# KiCad board TKEEB.kicad_pcb (continued)
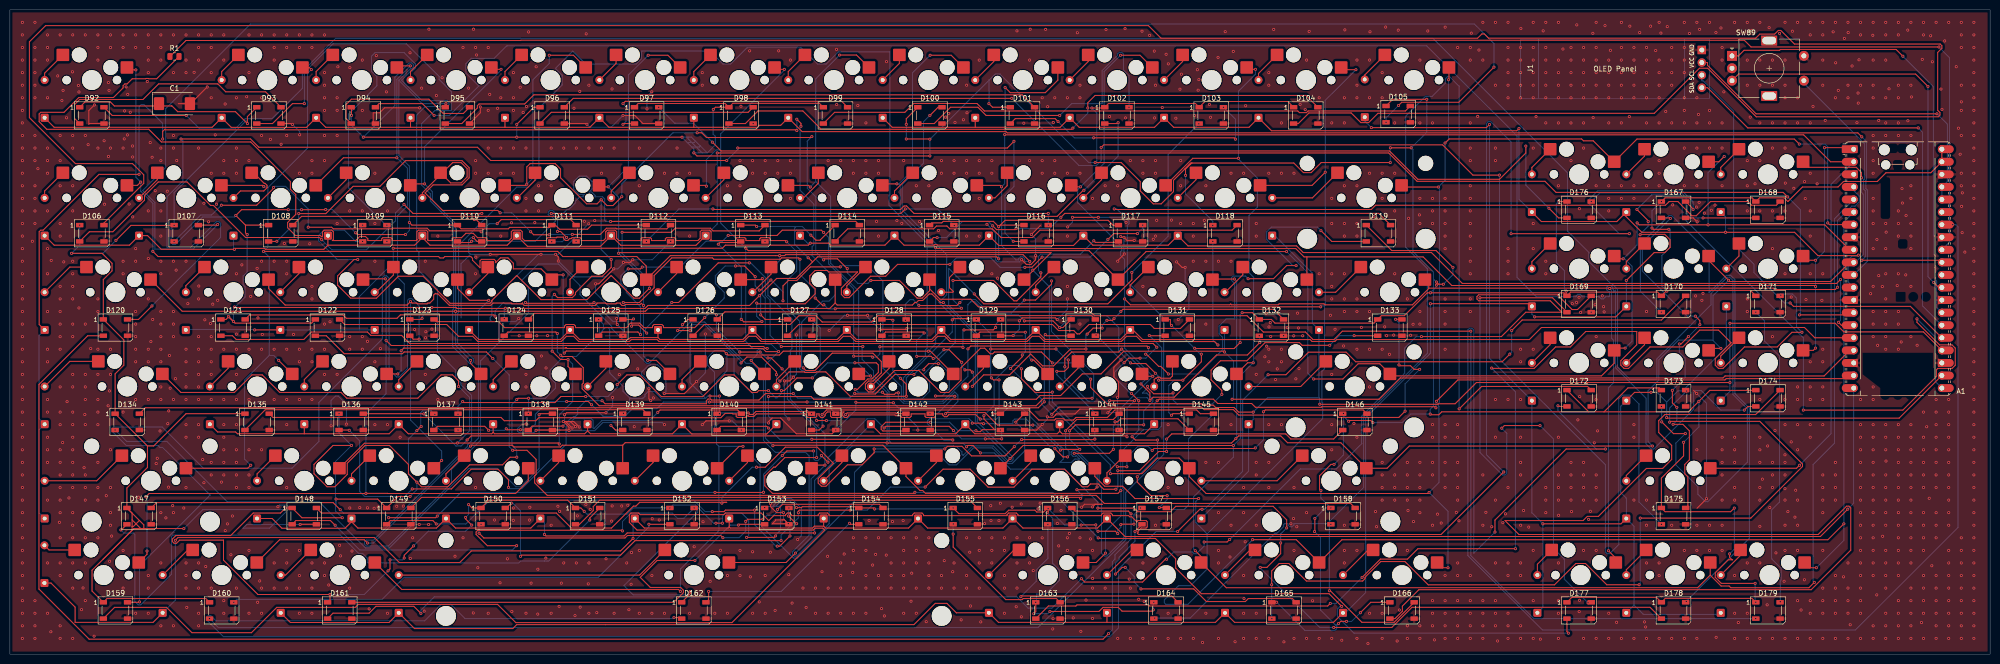
[diagram p0: board, top side]
## Routing (per net, layer and track width the routed paths; a pad name or vN(x,y) marks a point on that pad's centre or on a via; arc(x,y) is an arc through that point) (continued)
A: length 91.5
  Top w0.2: SW89.A 348.72,120.86 349.85,121.99 357.02,121.99 357.18,122.16 380.52,122.16 v1(381.89,120.79) ; A1.27 A1.27
  Bottom w0.2: v1(381.89,120.79) 388.03,114.65 388.03,84.63 388.17,84.49 388.17,84.49 388.17,80.7 388.36,80.5 388.36,79.54 388.37,79.53 388.37,78.07 388.51,77.93 388.51,75.54 388.71,75.34 388.71,74.84 388.65,74.77 388.65,70.09 A1.27
B: length 84.1
  Top w0.2: SW89.B 348.74,117.19 384.45,117.19 v1(386.95,114.69) ; v1(388.11,75.09) 389.13,74.07 A1.29 A1.29
  Bottom w0.2: v1(386.95,114.69) 386.95,76.25 v1(388.11,75.09)
col 1: length 410.8
  Top w0.2: 99.87,106.43 80.82,106.43 ; 99.87,106.43 D5.1 ; 99.87,106.43 116.99,106.43 D6.1 120.85,106.43 137.97,106.43 137.97,106.43 ; 80.82,106.43 D4.1 ; 80.82,106.43 63.7,106.43 D3.1 59.83,106.42 44.66,106.42 D2.1 40.79,106.43 8.93,106.43 D1.1 ; 137.97,106.43 D7.1 ; 137.97,106.43 137.97,106.43 150.82,106.43 151.22,106.83 155.5,106.83 D8.1 159.81,105.56 200.94,105.56 201.2,105.31 372.8,105.31 v1(373.59,104.51) ; A1.11 A1.11
  Bottom w0.2: v1(373.59,104.51) 374.53,103.57 374.53,95.81 374.41,95.69 374.41,94.07 374.71,93.77 374.71,79.35 A1.11
col 2: length 239.5
  Top w0.2: v1(304.44,106.2) 303.98,105.73 254.52,105.73 D13.1 249.97,106.43 234.77,106.43 D12.1 230.92,106.43 215.72,106.43 D11.1 211.87,106.43 194.74,106.43 ; D15.1 325.61,88.82 ; 325.61,88.82 324.16,87.38 308.96,87.38 D14.1 ; 325.61,88.82 329.21,85.22 v1(346.1,85.22) 360.03,85.22 364.75,80.51 372.81,80.51 v1(372.9,80.6) ; 194.74,106.43 178,106.43 D9.1 ; 194.74,106.43 D10.1 ; A1.12 A1.12
  Bottom w0.2: D14.1 304.44,91.9 v1(304.44,106.2) ; v1(346.1,85.22) 346.1,88.35 D16.1 ; A1.12 370.85,75.18 370.85,79.63 371.64,80.42 372.72,80.42 v1(372.9,80.6)
col 3: length 420.6
  Top w0.2: D17.1 8.93,82.62 24.13,82.62 D18.1 27.77,84.54 30.53,81.78 v1(45.28,81.78) 45.47,81.97 51.39,81.97 51.57,81.78 63.32,81.78 64.15,82.62 ; 83.2,84.16 84.75,82.62 100.33,82.62 D22.1 104.4,82.39 119.15,82.39 D23.1 123.26,82.59 138.4,82.59 D24.1 ; 83.2,84.16 D21.1 ; 83.2,84.16 81.66,82.62 64.15,82.62 ; 64.15,82.62 D20.1 ; v1(361.04,68.53) 370.71,68.53 A1.14 A1.14 ; v1(142.69,101.25) 278.16,101.25 283.88,95.53 309.68,95.53 311.92,93.28 357.72,93.28 v1(358.65,92.36)
  Bottom w0.2: v1(45.28,81.78) 45.1,81.97 D19.1 ; v1(142.69,101.25) 142.69,86.89 D24.1 ; v1(361.04,68.53) 361.21,68.7 361.21,89.8 v1(358.65,92.36)
col 4: length 374.9
  Top w0.2: v1(369.3,75.67) 368.51,74.88 293.01,74.88 286.77,81.13 260.91,81.13 259.57,82.47 237.67,82.47 D29.1 233.68,82.62 218.48,82.62 D28.1 214.57,82.56 199.48,82.56 D27.1 195.58,82.62 187.1,82.62 187,82.71 186.51,82.71 186.41,82.62 180.38,82.62 D26.1 176.53,82.62 165.6,82.62 165.2,83.02 v1(161.46,83.02) 161.06,82.62 144.34,82.62 143.71,81.99 v1(77.33,81.99) ; D31.1 54.54,65.5 v1(49.38,65.5) ; v1(368.89,67.03) 369.48,66.45 A1.15 A1.15
  Bottom w0.2: 70.48,65.49 D31.1 ; 70.48,65.49 70.48,72.22 77.33,79.07 v1(77.33,81.99) ; 70.48,65.49 D32.1 ; D30.1 35.59,65.6 49.28,65.6 v1(49.38,65.5) ; v1(161.46,83.02) 160.93,83.02 D25.1 ; v1(369.3,75.67) 369.3,75.67 369.3,67.43 v1(368.89,67.03)
col 5: length 293.8
  Top w0.2: A1.16 A1.16 364.11,63.91 362.04,65.98 308.97,65.98 306.53,63.54 267.68,63.54 267.3,63.16 262.69,63.16 262.31,63.55 228.51,63.55 226.56,65.49 D40.1 225.99,65.49 224.06,63.57 208.87,63.57 D39.1 205.01,63.57 189.82,63.57 D38.1 185.96,63.57 170.77,63.57 D37.1 166.91,63.56 151.72,63.56 D36.1 147.86,63.57 131.11,63.57 130.74,63.94 ; 130.74,63.94 125.19,63.94 124.81,63.57 114.92,63.57 D34.1 111.06,63.57 94.57,63.57 D33.1 ; 130.74,63.94 D35.1
col 6: length 371.7
  Top w0.2: 116.54,45.11 D46.1 ; 116.54,45.11 117.13,44.52 133.66,44.52 D47.1 137.55,44.48 152.68,44.48 D48.1 ; 116.54,45.11 115.95,44.52 97.77,44.52 97.49,44.8 ; 97.49,44.8 D45.1 ; 97.49,44.8 97.2,44.52 80.36,44.52 D44.1 76.51,44.52 59.39,44.52 ; v1(153.02,52.03) 161.63,52.03 162.18,51.49 207.07,51.49 207.82,52.24 211.97,52.24 216.35,56.61 220.12,56.61 224.71,61.2 244.87,61.2 v1(245.04,61.03) ; 59.39,44.52 45.89,44.52 45.53,44.88 41.9,44.88 D42.1 ; 59.39,44.52 D43.1 ; A1.17 A1.17 365.99,56.19 346.02,56.19 345.62,55.79 280.5,55.79 276.2,51.49 v1(246.56,51.49)
  Bottom w0.2: v1(246.56,51.49) 246.86,51.79 246.86,59.21 245.04,61.03 ; v1(153.02,52.03) 153.02,48.06 D48.1 ; D41.1 245.04,61.03 ; 245.04,61.03 v1(245.04,61.03)
col 9: length 499.2
  Top w0.2: v1(286.56,70.79) 306.5,70.79 D71.1 ; D65.1 56.58,6.39 76.48,6.39 D66.1 81.63,5.16 101.44,5.16 102.24,5.95 120.17,5.95 120.17,5.95 182.38,5.95 186.68,10.25 189.02,10.25 190.94,8.34 D67.1 199.43,6.42 221.31,6.42 ; A1.21 A1.21 ; v1(330.5,87.4) 330.5,87.55 v1(328.23,89.83) ; v1(361.81,49.3) 381.88,49.3 388.64,56.06 388.64,57.42 388.94,57.72 391.81,57.72 392.45,58.37 392.45,61.82 391.8,62.47 389.29,62.47 384.73,67.03 v1(384.73,67.74) ; v1(326.09,75.49) 331.7,81.11 333.84,81.11 334.92,82.19 334.92,83.72 333.84,84.81 328.95,84.81 v1(328.87,84.73) ; D70.1 267.01,6.42 247.05,6.42 D69.1 243.2,6.42 221.31,6.42 ; 221.31,6.42 D68.1 ; D72.1 323.96,68.13 v1(307.6,68.13)
  Bottom w0.2: v1(326.09,75.49) D72.1 ; v1(330.5,87.4) 330.5,86.45 328.87,84.82 v1(328.87,84.73) ; A1.21 388.42,55.07 388.42,64.05 v1(384.73,67.74) ; v1(307.6,68.13) 307.04,68.69 D71.1 ; v1(286.56,70.79) 286.56,60.78 273.52,47.74 273.52,12.47 269.39,8.34 D70.1 ; v1(328.23,89.83) 331.2,92.79 337.02,92.79 337.37,92.44 337.37,88.33 361.81,63.89 v1(361.81,49.3)
col 10: length 308.6
  Top w0.2: A1.22 A1.22 381.13,47.67 334.34,47.67 v1(334.23,47.79) ; D80.1 327.76,52.88 v1(331.08,52.88) ; v1(309.26,26.32) 325.02,26.32 D74.1 ; v1(274.65,106.37) 297.87,106.37 v1(298.48,106.98)
  Bottom w0.2: 334.23,50.92 v1(334.23,47.79) ; 334.23,50.92 336.48,53.17 337.43,53.17 346.26,62.01 D73.1 ; 334.23,50.92 332.27,52.88 v1(331.08,52.88) ; 327.65,9.91 329.52,8.03 344.83,8.03 D77.1 ; 327.65,9.91 D76.1 ; 327.65,9.91 327.65,25.83 D74.1 326.09,31.49 324.97,32.61 324.97,50.09 D80.1 ; v1(274.65,106.37) 273.32,107.69 D78.1 ; D75.1 309.26,9.45 v1(309.26,26.32) 307.04,28.55 D79.1 298.48,59.76 v1(298.48,106.98)
col 11: length 643
  Top w0.2: D84.1 5.9,66.59 5.9,85.33 6.22,85.64 6.69,85.64 17.97,96.93 v1(26.05,96.93) ; v1(250.82,48.89) 247.89,48.89 246.96,49.82 243.23,49.82 242.76,50.29 240.64,50.29 240.35,50.59 221.31,50.59 218.04,53.86 v1(218.04,55.55) ; v1(160.05,57.83) 160.59,57.29 162.39,57.29 165.9,60.8 174.1,60.8 175.8,59.1 175.8,56.82 174.14,55.16 173.23,55.16 172.59,54.52 172.59,53.61 173.23,52.96 174.14,52.96 178.47,57.29 183.37,57.29 187.8,52.86 189.4,52.86 191.87,55.34 191.87,57.87 195.81,61.8 196.65,61.8 197.77,60.68 198.27,60.68 198.62,61.03 208.09,61.03 v1(210.3,58.83) ; v1(158.75,108.06) 159.59,107.22 v1(159.59,106.64) ; v1(30.81,104.07) 30.81,105.61 31.24,106.03 31.34,105.92 158.6,105.92 v1(158.75,105.78) ; A1.24 A1.24 386.02,65.1 369.98,65.1 368.23,66.84 v1(347,66.84) ; v1(264.24,50.49) 264.26,50.47 288.04,50.47 288.14,50.58 291.56,50.58 295.84,54.86 v1(347,54.86)
  Bottom w0.2: v1(30.81,104.07) 30.81,107.23 27.01,111.03 26.51,111.03 26.05,110.57 v1(26.05,96.93) ; v1(218.04,55.55) 214.76,58.83 v1(210.3,58.83) ; v1(159.59,106.64) 159.4,106.45 159.4,93.72 162.18,90.95 162.18,82.65 161.84,82.31 161.84,80.5 166.54,75.79 166.54,72.63 165.23,71.31 163.99,71.31 159.74,67.06 159.74,58.14 v1(160.05,57.83) ; D84.1 5.88,64.38 5.88,47.56 D85.1 5.9,45.34 5.9,28.5 D82.1 ; v1(158.75,108.06) v1(158.75,105.78) ; 264.09,51.8 D83.1 262.74,66.85 262.74,76.99 255.18,84.54 D86.1 ; 264.09,51.8 264.24,51.65 v1(264.24,50.49) ; 264.09,51.8 253.73,51.8 v1(250.82,48.89) 250.82,47.38 D87.1 249.89,36.92 D88.1 ; v1(347,66.84) v1(347,54.86) 347,53.06 D81.1
colu 7: length 359.3
  Top w0.2: D49.1 175.62,44.51 190.8,44.51 D50.1 194.66,44.52 211.28,44.52 211.79,45.02 ; v1(162.34,24.47) 124.52,24.47 123.92,23.87 108.14,23.87 v1(107.84,24.17) ; D51.1 211.79,45.02 ; 211.79,45.02 212.3,44.51 228.91,44.51 D52.1 ; v1(231.44,51.19) 231.53,51.19 231.85,51.5 242.79,51.5 243.67,50.62 250.51,50.62 251.27,49.87 264.53,49.87 264.64,49.98 287.47,49.98 v1(287.68,49.76) ; 68.91,26.74 67.6,25.43 54.87,25.43 52.91,27.39 D53.1 ; 68.91,26.74 70.19,25.47 86.04,25.47 D55.1 89.89,25.47 105.09,25.47 D56.1 ; 68.91,26.74 D54.1 ; A1.19 A1.19 370.53,55.65 346.24,55.65 345.98,55.39 292.1,55.39 v1(287.79,51.07)
  Bottom w0.2: v1(231.44,51.19) 230.84,50.59 D52.1 ; D49.1 162.34,35.09 v1(162.34,24.47) ; v1(287.79,51.07) 287.68,50.97 v1(287.68,49.76) ; v1(107.84,24.17) 107.84,26.57 D56.1
colu 8: length 428.3
  Top w0.2: 145.11,25.65 D58.1 ; 145.11,25.65 145.29,25.47 161.92,25.47 162.3,25.85 164.16,25.85 ; 145.11,25.65 144.93,25.47 127.99,25.47 D57.1 ; D64.1 28.89,6.42 13.15,6.42 13.15,9.49 8.28,14.36 D63.1 ; v1(33.37,23) 33.92,23.55 73.51,23.55 78.56,18.5 90.75,18.5 93.09,20.84 123.19,20.84 v1(125.71,23.37) ; 164.16,25.85 164.54,25.47 181.29,25.47 D60.1 185.14,25.47 200.34,25.47 D61.1 202.44,27.39 204.36,25.47 219.39,25.47 D62.1 224.94,23.77 365.25,23.77 v1(370.77,29.28) ; 164.16,25.85 D59.1
  Bottom w0.2: v1(125.71,23.37) 125.71,27.04 D57.1 ; A1.20 371.97,30.48 v1(370.77,29.28) ; v1(33.37,23) 33.37,10.9 D64.1
dscl: length 88.6
  Top w0.2: A1.25 A1.25 383.4,70.26 359.82,70.26 v1(359.13,70.95)
  Bottom w0.2: v1(359.13,70.95) 357.98,70.95 351.84,77.08 351.84,78.78 347.74,82.88 347.74,109.69 341.61,115.82 341.32,115.82 J1.3
dsda: length 89.7
  Top w0.2: v1(384.98,106.31) 350.6,106.31 342.47,114.43 J1.4 ; A1.26 A1.26
  Bottom w0.2: v1(384.98,106.31) 385.85,105.43 385.85,70.34 A1.26
rgbi: length 402.1
  Top w0.2: A1.32 A1.32 ; R1.1 35.51,123.96 103.03,123.96 103.09,124.02 349.9,124.02 351.26,122.66 v1(389.16,122.66)
  Bottom w0.2: A1.32 391.29,83.23 391.29,120.52 v1(389.16,122.66)
rgbo: length 322.4
  Top w0.2: v1(312.3,50.17) 312.44,50.03 D172.2 ; v1(299.59,24.66) 299.59,27.07 313.95,41.43 v1(321.88,41.43) ; A1.34 A1.34 391.69,86.77
  Bottom w0.2: v1(299.59,24.66) 295.32,20.39 295.32,65.49 294.97,65.84 294.47,65.84 294.12,65.49 294.12,19.92 309.16,4.88 372.31,4.88 393.02,25.59 393.02,86.3 392.55,86.77 392.55,86.77 391.69,86.77 ; v1(321.88,41.43) 320.03,41.43 312.3,49.16 v1(312.3,50.17)
  vias: v1(391.95,86.77)
row 1: length 674
  Top w0.2: v1(185.63,120.99) 189.89,120.99 SW9.1 ; v1(364.27,79.57) 362.59,79.57 SW73.1 ; v1(147.89,41.97) 147.09,41.97 SW57.1 ; v1(111.61,76.61) 110.3,76.61 SW33.1 107.16,77.83 101.56,77.83 101.56,78.96 100.48,80.04 98.94,80.04 97.99,79.09 97.99,79.46 97.7,79.74 95.12,79.74 94.83,79.46 94.83,78.07 93.33,79.57 93.33,79.96 92.98,80.32 92.48,80.32 92.48,80.31 87.72,80.31 87.44,80.04 86.76,80.04 86.48,80.31 29.89,80.31 v1(28.84,81.37) ; A1.1 A1.1 370.86,102.32 v1(366.06,102.32) ; SW65.1 79.06,13.07 134.86,13.07 v1(135.27,12.66) ; 261.65,80.25 261.08,80.25 259.4,81.93 186.94,81.93 v1(186.76,82.11) ; 261.65,80.25 SW41.1 ; 261.65,80.25 285.1,80.25 290.89,74.46 364.07,74.46 v1(364.27,74.27) ; SW25.1 176.31,95 v1(178.94,95) ; v1(364.27,61.82) 363.81,61.37 SW81.1 ; SW17.1 25.74,94.7 v1(26.4,95.37) ; v1(25.4,118.03) 24.1,118.03 SW1.1 ; SW49.1 185.7,61.2 v1(185.29,61.2) 156.01,61.2 155.24,60.42 144.84,60.42 v1(144.51,60.75) 144.03,61.23 112.24,61.23 v1(111.82,60.81)
  Bottom w0.2: v1(28.84,81.37) 28.84,91.08 26.4,93.51 v1(26.4,95.37) 25.4,96.36 v1(25.4,118.03) ; 179.35,95 182.08,97.73 182.08,117.43 v1(185.63,120.99) ; 179.35,95 179.61,94.74 179.61,89.26 v1(186.76,82.11) 186.76,62.67 v1(185.29,61.2) ; 179.35,95 v1(178.94,95) ; 143.04,41.97 143.04,24.95 135.27,17.18 v1(135.27,12.66) ; 143.04,41.97 v1(147.89,41.97) ; 143.04,41.97 142.54,42.46 142.54,55.14 144.64,57.24 144.64,60.62 v1(144.51,60.75) ; v1(366.06,102.32) 366.06,81.37 v1(364.27,79.57) v1(364.27,74.27) v1(364.27,61.82) ; v1(111.82,60.81) 111.61,61.02 v1(111.61,76.61)
row 2: length 707.4
  Top w0.2: SW82.1 47.98,37.55 v1(48.58,38.16) ; SW58.1 162.36,38.19 v1(164.43,38.19) ; v1(361.04,38.16) 360.43,37.55 SW74.1 ; v1(60.81,118.09) 60.38,118.52 SW2.1 ; SW66.1 156.58,18.5 v1(158.48,20.41) ; v1(51.14,81.37) 110.5,81.37 111.55,80.32 126.45,80.32 128.39,78.38 SW34.1 133.24,80.51 154.39,80.51 154.39,80.51 v1(155.29,80.51) 156.29,80.51 156.49,80.71 204.38,80.71 v1(205.75,79.35) ; v1(200.77,114.47) 201.82,113.43 208.88,113.43 211.41,115.96 SW10.1 ; SW50.1 206.55,59.4 v1(206.14,59.4) ; v1(200.69,104.96) 200.75,104.9 361.87,104.9 367.3,99.47 A1.2 A1.2 ; v1(54.22,59.35) 54.22,59.33 SW42.1 ; v1(200.04,94.41) 199.75,94.7 SW26.1 ; SW18.1 51,94.7 v1(51.22,94.49)
  Bottom w0.2: v1(155.29,80.51) 155.29,79.53 152.92,77.16 152.92,72.53 157.76,67.69 157.76,61.72 157.43,61.39 157.43,51.51 164.43,44.51 v1(164.43,38.19) 161.63,35.39 161.63,23.56 v1(158.48,20.41) ; v1(361.04,38.16) 367.39,44.51 367.39,94.89 A1.2 ; 52.06,94.25 60.04,102.23 60.04,117.31 v1(60.81,118.09) ; 52.06,94.25 51.95,94.36 51.34,94.36 v1(51.22,94.49) ; 52.06,94.25 52.06,82.29 v1(51.14,81.37) 52.32,80.19 52.32,60.36 ; 52.32,60.36 47.32,55.35 47.32,39.43 v1(48.58,38.16) ; 52.32,60.36 53.21,60.36 v1(54.22,59.35) ; v1(206.14,59.4) 205.75,59.8 v1(205.75,79.35) 204.63,79.35 204.71,79.43 204.71,79.93 204.36,80.28 203.86,80.28 203.51,79.93 203.51,79.65 202.95,79.65 200.08,82.52 200.08,94.38 v1(200.04,94.41) 200.69,95.06 v1(200.69,104.96) 200.77,105.04 v1(200.77,114.47)
row 3: length 644.9
  Top w0.2: v1(80.8,118.84) 78.39,118.84 SW3.1 ; v1(151.78,75.85) 151.58,75.65 SW35.1 ; v1(78.26,56.59) 76.01,56.59 SW43.1 ; v1(230.57,56.12) 228.88,56.12 SW51.1 ; v1(368.7,74.12) 368.23,73.66 356.05,73.66 355.76,73.94 322.73,73.94 ; 286.24,73.94 322.73,73.94 ; 286.24,73.94 286.24,73.87 282.94,70.57 265.29,70.57 265.09,70.77 256.06,70.77 255.87,70.57 246.44,70.57 246.28,70.73 246.12,70.57 226.06,70.57 v1(224.87,71.75) ; 286.24,73.94 286.24,74.88 SW83.1 ; 322.73,73.94 v1(322.73,73.86) ; A1.4 A1.4 ; v1(78.05,100.28) 67.29,100.28 SW19.1 ; SW27.1 214.41,94.4 v1(215.98,94.4) ; SW75.1 323.97,19.4 v1(322.48,20.88) ; SW11.1 227.99,120.99 v1(224.04,120.99) ; v1(224.11,33.04) 223.54,32.47 184.72,32.47 184.15,33.04 183.6,33.04 180.77,35.87 SW59.1 176.13,42.2 154.03,42.2 v1(153.93,42.1) ; v1(221.03,20.41) 219.13,18.5 SW67.1 ; v1(155.08,61.11) 152.51,61.11 151.88,61.75 112.4,61.75 112.2,61.94 112.08,61.82 79.45,61.82 v1(78.93,61.29)
  Bottom w0.2: v1(322.48,20.88) 322.48,53.8 323.52,54.84 323.52,63.38 323.12,63.78 323.12,73.48 v1(322.73,73.86) ; v1(151.78,75.85) 151.78,72.53 152.38,71.94 152.38,62.65 153.54,62.65 v1(155.08,61.11) 152.42,58.45 152.42,43.62 v1(153.93,42.1) ; v1(78.26,56.59) 78.93,57.26 v1(78.93,61.29) 79.55,61.92 79.55,74.8 78.2,76.15 78.2,88.55 80.19,90.55 80.19,98.14 v1(78.05,100.28) 78.05,116.1 v1(80.8,118.84) ; A1.4 371.97,93.63 373.1,92.5 373.1,91.36 372.24,90.5 371.59,90.5 368.69,87.61 368.69,74.12 v1(368.7,74.12) ; v1(224.04,120.99) 220.75,117.69 220.75,99.18 v1(215.98,94.4) 215.41,93.83 215.41,91.21 224.31,82.31 224.31,81.55 224.05,81.29 224.05,80.55 224.87,79.73 v1(224.87,71.75) 224.87,61.82 v1(230.57,56.12) 224.11,49.66 v1(224.11,33.04) 224.15,32.99 224.15,27.94 221.03,24.82 v1(221.03,20.41)
row 4: length 678.7
  Top w0.2: 343.02,15.95 340.47,13.41 245.4,13.41 SW68.1 240.31,19.72 v1(239.14,20.88) ; 343.02,15.95 SW76.1 ; 343.02,15.95 345.21,13.76 346.83,13.76 347.18,13.41 362.93,13.41 v1(364.02,14.49) ; SW20.1 81.06,95 v1(83.65,95) ; SW28.1 238.63,100.17 v1(247.84,100.17) ; SW44.1 92.95,58.71 v1(92.95,59.35) ; SW84.1 34.75,69.28 89.92,69.28 ; 89.92,69.28 v1(89.92,69.25) ; 89.92,69.28 128.23,69.28 128.79,69.84 165.4,69.84 166.49,70.93 ; v1(251.29,118.14) 249.89,118.14 SW12.1 ; SW52.1 249.71,58.86 v1(250.82,58.86) ; SW60.1 v1(201.77,39.5) 204.42,42.15 v1(246.81,42.15) ; v1(188.31,71.02) 187.75,71.02 186.01,72.76 185.46,72.76 184.14,71.44 183.29,71.44 182.87,71.02 182.55,71.02 182.07,70.53 166.89,70.53 166.49,70.93 ; A1.5 A1.5 ; 166.49,70.93 SW36.1 ; v1(99.08,118.14) 97.49,118.14 SW4.1
  Bottom w0.2: v1(92.95,59.35) 89.92,62.38 v1(89.92,69.25) 89.92,87.01 85.21,91.71 85.21,93.44 v1(83.65,95) 83.65,102.53 99.08,117.96 v1(99.08,118.14) ; v1(364.02,14.49) 363.79,14.72 363.79,38.3 368.09,42.6 368.09,87.97 A1.5 ; v1(188.31,71.02) 194.75,64.57 194.75,46.52 v1(201.77,39.5) ; v1(251.29,118.14) 251.29,117.17 247.84,113.73 v1(247.84,100.17) 247.84,100.01 251.66,96.19 251.66,90.29 249.96,88.6 249.96,77.07 250.91,76.12 250.91,58.95 v1(250.82,58.86) 248.29,56.33 248.29,43.62 v1(246.81,42.15) 246.81,39.8 238.79,31.78 238.79,21.23 v1(239.14,20.88)
row 5: length 850.5
  Top w0.2: v1(250.72,23.12) 259.51,23.12 SW69.1 268.71,23.1 366.75,23.1 v1(369.97,26.32) ; A1.6 A1.6 ; v1(265.36,97.35) 262.71,94.7 SW29.1 ; v1(264.44,70.16) 195.37,70.16 193.84,71.69 187.64,71.69 185.54,73.8 SW37.1 185.54,73.42 184.03,71.91 183.03,71.91 179.45,75.49 v1(173.69,75.49) ; v1(109.83,72.68) 110.5,72.01 113.45,72.01 114.09,72.66 114.09,73.05 117.39,76.34 119.53,76.34 121.3,78.12 v1(121.3,79.72) ; v1(108.81,120.99) 113.69,120.99 SW5.1 ; v1(161.78,104.56) 161.58,104.36 140.52,104.36 139.56,105.32 v1(138.65,105.32) ; v1(123.44,92.41) 121.65,90.62 120.47,90.62 v1(119.29,91.8) 118.45,90.96 116.36,90.96 111.09,96.23 111.09,98.01 110,99.09 104.95,99.09 104.28,98.43 v1(104.28,94.94) 104.05,94.7 SW21.1 ; v1(90.51,54.06) 90.51,55.2 89.3,56.41 86.99,56.41 82.29,51.71 67.95,51.71 66.8,52.86 54.45,52.86 50.9,56.41 48.83,56.41 45.28,52.86 34.5,52.86 SW85.1 ; v1(364.42,17.45) 363.12,17.45 SW77.1 ; v1(271.55,118.07) 269.01,118.07 SW13.1 ; v1(164.16,79.66) 164.36,79.85 166.95,79.85 v1(168.93,77.88) ; v1(110.82,42.45) 110.62,42.65 v1(90.26,42.65) 90.22,42.6 71.52,42.6 SW53.1 ; v1(109.4,61.21) 111.08,59.52 v1(112.59,59.52) 112.59,58.11 SW45.1 ; SW61.1 218.87,35.89 220.85,33.91 224.48,33.91 226.97,31.42 v1(239.82,31.42)
  Bottom w0.2: 241.52,24.29 264.84,47.61 264.84,50.74 264.68,50.91 264.68,57.12 265.2,57.64 265.2,70.37 ; 241.52,24.29 239.24,26.57 239.24,30.84 v1(239.82,31.42) ; 241.52,24.29 241.52,17.2 238.15,13.82 235.76,13.82 232.9,10.96 232.9,10.36 233.2,10.06 237.66,10.06 v1(250.72,23.12) ; v1(364.42,17.45) 369.97,23 v1(369.97,26.32) 369.97,87.31 A1.6 ; v1(110.82,42.45) 110.82,47.16 110.84,47.18 110.84,48.35 113.54,51.05 113.54,58.57 v1(112.59,59.52) ; v1(264.44,70.16) 264.64,70.37 265.2,70.37 ; v1(90.51,54.06) 92.73,51.85 92.73,45.11 v1(90.26,42.65) ; 265.2,70.37 265.36,70.52 v1(265.36,97.35) 265.36,111.88 v1(271.55,118.07) ; v1(173.69,75.49) 173.09,74.89 171.06,74.89 168.93,77.03 v1(168.93,77.88) ; v1(108.81,120.99) 108.81,119.31 105.5,115.99 105.5,96.15 v1(104.28,94.94) ; v1(109.4,61.21) 109.4,72.24 v1(109.83,72.68) ; v1(138.65,105.32) 133.75,105.32 123.44,95.02 v1(123.44,92.41) ; v1(161.78,104.56) 160.86,103.64 160.86,94.11 162.58,92.39 162.58,81.24 v1(164.16,79.66) ; v1(121.3,79.72) 119.29,81.73 v1(119.29,91.8)
row 6: length 633.5
  Top w0.2: v1(128.76,120.99) 132.74,120.99 SW6.1 ; v1(222.01,36.46) 228.36,36.46 231.51,39.61 235.87,39.61 SW62.1 237.92,35.86 241.33,32.45 286.09,32.45 v1(286.3,32.66) ; v1(122.8,80.99) 122.92,81.11 204.86,81.11 210.04,81.11 206.51,77.58 v1(206.35,77.58) 206.35,77.42 SW38.1 ; v1(128.69,59.35) 130.4,59.35 SW46.1 ; v1(288.18,94.36) 281.1,94.36 SW86.1 ; A1.7 A1.7 367.08,86.77 v1(366.73,87.11) ; SW30.1 52.19,73.86 55.52,70.52 80.13,70.52 v1(80.82,71.22) 81.1,70.93 82.07,70.93 82.23,70.77 84.17,70.77 84.33,70.93 84.72,70.93 85.49,71.7 85.49,72.54 85.83,72.88 85.92,72.79 86.34,72.79 88.65,70.47 97.02,70.47 97.47,70.93 101.12,70.93 101.28,70.77 103.22,70.77 103.38,70.93 103.4,70.93 103.4,70.79 103.75,70.44 104.25,70.44 104.27,70.47 117.55,70.47 117.58,70.44 118.08,70.44 118.43,70.79 118.43,70.93 120.17,70.93 120.33,70.77 122.27,70.77 122.43,70.93 123.13,70.93 123.13,70.79 123.48,70.44 123.98,70.44 124.18,70.64 127.16,70.64 127.39,70.87 v1(127.82,70.44) ; v1(290.22,116.03) 290.31,116.12 SW78.1 ; SW22.1 119.16,94.4 v1(120.69,94.4) ; SW70.1 288.98,17.45 v1(290.12,17.45) ; v1(87.09,39.12) SW54.1 ; v1(289.52,103.25) 290.36,104.08 317.07,104.08 317.45,103.7 319.42,103.7 SW14.1 328.24,104.06 359.98,104.06 v1(361,103.04)
  Bottom w0.2: v1(87.09,39.12) 87.09,41.01 80.82,47.29 v1(80.82,71.22) ; v1(290.12,17.45) 290.12,28.84 v1(286.3,32.66) 288.29,34.64 288.29,50.01 288.18,50.12 288.18,50.61 288.39,50.82 288.39,94.15 v1(288.18,94.36) 289.52,95.71 v1(289.52,103.25) 290.22,103.95 v1(290.22,116.03) ; v1(128.69,59.35) 127.82,60.22 v1(127.82,70.44) 127.82,75.96 v1(122.8,80.99) 122.8,92.29 v1(120.69,94.4) 124.78,98.49 124.78,117 v1(128.76,120.99) ; v1(222.01,36.46) 222.01,38.23 209.7,50.54 209.7,74.23 v1(206.35,77.58) ; v1(366.73,87.11) 366.73,102.5 366.19,103.04 v1(361,103.04)
row 7: length 617.8
  Top w0.2: v1(345.84,100.54) 344.77,99.47 SW15.1 ; v1(27.42,31.77) 28.1,32.45 v1(71.82,32.45) 71.86,32.48 76.17,32.48 76.21,32.45 102.01,32.45 104.57,35.01 SW55.1 ; v1(27.66,20.82) 27.66,20.17 SW63.1 ; v1(75.89,63.39) 76.93,62.34 149.27,62.34 149.46,62.15 152.04,62.15 152.44,61.75 v1(152.77,61.75) ; v1(140.51,94.54) 140.34,94.7 SW23.1 ; v1(257.56,81.32) 229.22,81.32 SW39.1 217.69,81.51 148.96,81.51 v1(148.46,82.01) ; v1(149.54,59.35) 149.54,59.26 SW47.1 ; v1(75.74,75.82) 71.4,75.82 SW31.1 ; v1(325.46,79.86) 324.2,79.86 SW71.1 ; v1(328.27,87.12) 328.67,86.72 v1(342.59,86.72) 366.13,86.72 A1.9 A1.9 ; v1(156.23,118.14) 154.64,118.14 SW7.1 ; v1(263.02,55.58) 268.92,55.58 271.99,58.66 276.35,58.66 SW87.1 278.8,56.21 321.07,56.21 323.65,58.79 SW79.1 324.1,61.82 v1(325.85,61.82)
  Bottom w0.2: 143.39,101.85 142.45,101.85 140.51,99.91 v1(140.51,94.54) ; 143.39,101.85 143.39,87.07 v1(148.46,82.01) 148.46,63.17 149.87,61.75 v1(152.77,61.75) 151.94,61.75 151.71,61.51 151.6,61.62 151.1,61.62 150.75,61.27 150.75,60.77 150.86,60.66 v1(149.54,59.35) ; 143.39,101.85 143.39,105.12 156.23,117.96 v1(156.23,118.14) ; v1(263.02,55.58) 261.83,56.77 261.83,77.04 v1(257.56,81.32) ; v1(342.59,86.72) 342.59,97.28 v1(345.84,100.54) ; v1(71.82,32.45) 71.82,48.54 75.89,52.6 v1(75.89,63.39) 75.89,75.67 v1(75.74,75.82) ; v1(27.42,31.77) 27.66,31.53 v1(27.66,20.82) ; v1(325.85,61.82) 327.25,63.22 327.25,78.34 325.59,80 ; v1(328.27,87.12) 328.27,82.68 325.59,80 ; 325.59,80 v1(325.46,79.86)
row 8: length 596.5
  Top w0.2: SW32.1 90.29,73.89 92.7,71.48 v1(96.6,71.48) ; v1(72.14,22.44) 71.49,23.1 54.4,23.1 SW64.1 ; v1(345.17,61.76) 343.1,61.76 SW80.1 ; v1(167.37,121.03) 170.8,121.03 SW8.1 ; SW56.1 123.62,42.2 ; 123.62,42.2 124.13,42.71 176.91,42.71 v1(176.97,42.65) 246.44,42.65 v1(247.32,43.52) 247.88,44.08 256.37,44.08 257.76,42.7 268.5,42.7 SW88.1 277.83,37.55 282.31,42.03 v1(331.37,42.03) ; 123.62,42.2 111.42,42.2 111.07,41.85 101.7,41.85 101.34,42.2 93.09,42.2 v1(92.92,42.03) ; v1(173.63,56.19) 171.66,56.19 SW48.1 ; v1(161.46,94.36) 161.12,94.7 SW24.1 ; v1(373.53,96.23) 373.53,97.29 372.47,98.35 362.86,98.35 SW16.1 ; SW72.1 342.7,79.55 v1(346.72,75.53) 346.96,75.28 367.31,75.28 A1.10 A1.10 ; SW40.1 242.73,75.78 v1(247.02,75.78)
  Bottom w0.2: v1(345.17,61.76) 343.6,63.33 343.6,63.45 ; 162.57,95.47 165.58,92.46 165.58,78.98 171.22,73.34 171.22,58.6 v1(173.63,56.19) 176.97,52.85 v1(176.97,42.65) ; 162.57,95.47 v1(161.46,94.36) ; 162.57,95.47 162.57,116.23 v1(167.37,121.03) ; v1(331.37,42.03) 330.48,42.92 330.48,53.19 332.64,55.36 332.64,59.46 336.64,63.45 343.6,63.45 ; 343.6,63.45 343.6,72.41 v1(346.72,75.53) ; v1(373.53,96.23) 373.53,93.28 373.91,92.9 373.91,80.75 372.3,79.15 A1.10 ; v1(247.02,75.78) 247.49,75.31 247.49,43.7 v1(247.32,43.52) ; v1(96.6,71.48) 94.54,69.42 94.54,43.65 v1(92.92,42.03) 73.33,22.44 v1(72.14,22.44)
SW: length 59
  Top w0.2: A1.31 A1.31 389.32,79.57 v1(373.61,79.57)
  Bottom w0.2: SW89.S1 361.91,115.34 374.13,103.12 374.13,95.98 373.96,95.81 373.96,93.96 374.31,93.61 374.31,80.27 v1(373.61,79.57)
Net-(D1-A): length 6.6
  Top w0.2: D1.2 7,117.37 SW1.2
Net-(D2-A): length 6.5
  Top w0.2: SW2.2 42.72,117.69 D2.2
Net-(D3-A): length 6.5
  Top w0.2: D3.2 61.77,117.69 SW3.2
Net-(D4-A): length 6.5
  Top w0.2: D4.2 80.82,117.69 SW4.2
Net-(D5-A): length 6.5
  Top w0.2: D5.2 99.87,117.69 SW5.2
Net-(D6-A): length 6.5
  Top w0.2: D6.2 122.29,119.34 SW6.2
Net-(D7-A): length 6.5
  Top w0.2: SW7.2 137.97,117.69 D7.2
Net-(D8-A): length 6.5
  Top w0.2: SW8.2 157.02,117.69 D8.2
Net-(D9-A): length 6.5
  Top w0.2: SW9.2 179.44,119.34 D9.2
Net-(D10-A): length 6.6
  Top w0.2: SW10.2 198.49,119.72 D10.2
Net-(D11-A): length 6.6
  Top w0.2: D11.2 217.54,119.72 SW11.2
Net-(D12-A): length 6.6
  Top w0.2: SW12.2 236.59,119.72 D12.2
Net-(D13-A): length 6.6
  Top w0.2: SW13.2 251.89,117.31 D13.2
Net-(D14-A): length 6.6
  Top w0.2: D14.2 307.04,98.32 SW14.2
Net-(D15-A): length 6.6
  Top w0.2: D15.2 329.77,100.61 SW15.2
Net-(D16-A): length 6.6
  Top w0.2: SW16.2 345.14,98.32 D16.2
Net-(D17-A): length 6.6
  Top w0.2: SW17.2 7,93.56 D17.2
Net-(D18-A): length 6.6
  Top w0.2: D18.2 29.73,95.85 SW18.2
Net-(D19-A): length 12.2
  Top w0.2: SW19.2 49.16,97.24 51.3,95.1 51.47,95.1 51.87,94.7 51.87,94.22 51.22,93.57 46.5,93.57 D19.2
Net-(D20-A): length 6.6
  Top w0.2: SW20.2 67.83,95.85 D20.2
Net-(D21-A): length 21.5
  Top w0.2: D21.2 83.2,93.19 89.31,99.3 91.04,99.3 92.24,98.09 92.24,96.39 91.04,95.19 88.94,95.19 SW21.2
Net-(D22-A): length 6.7
  Top w0.2: SW22.2 105.93,95.74 102.36,92.16 D22.2
Net-(D23-A): length 6.6
  Top w0.2: D23.2 121.3,93.56 SW23.2
Net-(D24-A): length 6.6
  Top w0.2: D24.2 144.03,95.85 SW24.2
Net-(D25-A): length 7
  Top w0.2: SW25.2 163.08,95.14 160.11,92.16 D25.2
Net-(D26-A): length 6.6